# Altium PCB Tiny817_Xplained_Pro.PcbDoc (part 2 of 3) (continued)
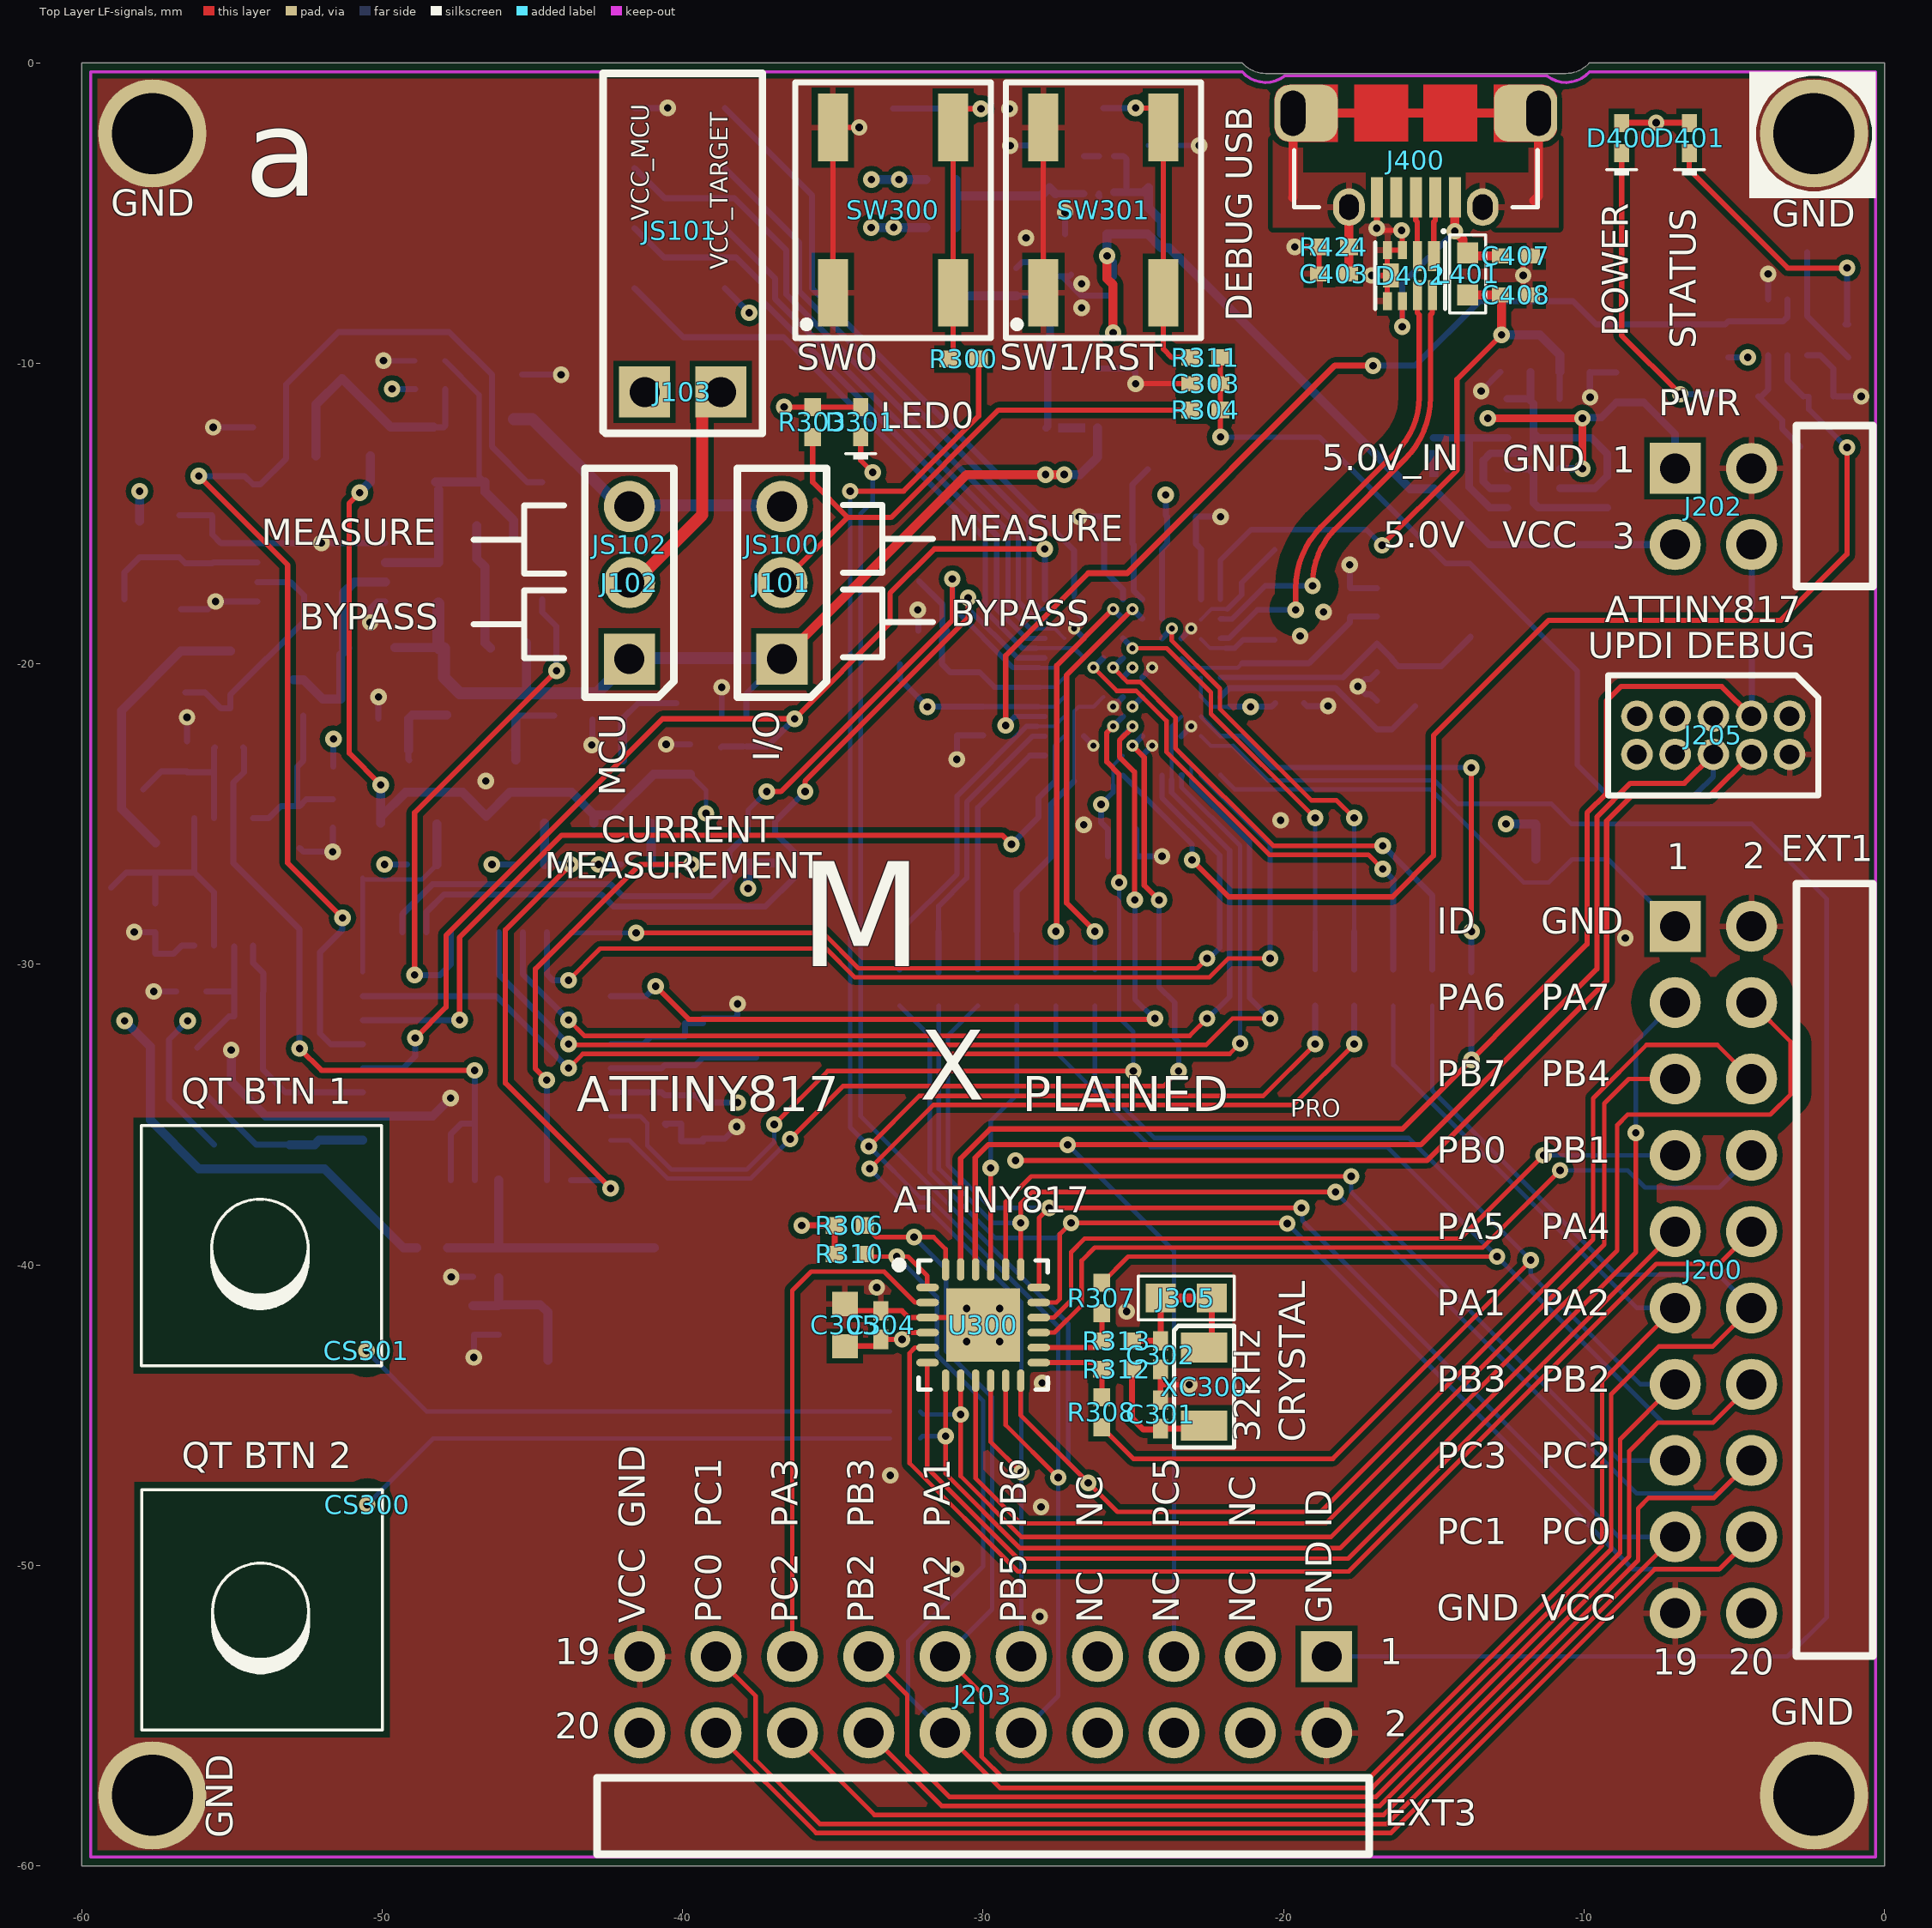
[diagram p0: Top Layer LF-signals view]
## Nets (pads, with @x,y where several pads share a name; then routed paths per layer and width w, separated by ;. In a path a pad name is that pad's centre, name@x,y a point inside that pad or via, vN(x,y) a via of type N, cw(c..) or ccw(c..) an arc to the next point about the centre after c; other vN are vias at no path point) (continued)
  Bottom Layer LF-signals w0.3: v1(-55.025,-32.85) -55.025,-33.9 -53.875,-35.05 C605.2@-53.075,-35.05 ; C605.2@-53.075,-35.05 U600.10@-50.649,-35.051 -48.326,-35.051 v1(-47.725,-34.45)
  other v1: -28.117,-51.7 -30.9,-50.125 -28.075,-48.051 -33.088,-47 -28.034,-43.925 -30.55,-42.55 -29.45,-42.55 -25.224,-41.55 -30.55,-41.45 -29.45,-41.45 -33.542,-40.75 -8.625,-29.125 -26.653,-25.35 -46.55,-23.9 -19.45,-19.07 -18.675,-18.275 -26.725,-8.15 -26.725,-7.35 -28.575,-5.825
  other v3: -20.102,-25.2 -29.125,-1.525
ID1: J200.1@-6.97,-28.73 R409.1 U400.A1 | length 17.9
  Bottom Layer LF-signals w0.15: U400.A1@-22.1,-23.7 -21.625,-24.175 -15.104,-24.175 -12.004,-27.275 -11.175,-27.275 R409.1@-10.4,-26.5 -9.2,-26.5 J200.1@-6.97,-28.73
ID3: J203.1@-18.57,-53.03 R401.1 U400.B3 | length 64.2
  Bottom Layer LF-signals w0.125: U400.B3@-22.75,-22.4 -22.422,-22.728 -21.675,-22.728
  Bottom Layer LF-signals w0.15: -21.675,-22.728 -20.528,-23.875 -14.98,-23.875 -14.205,-24.65 -11.1,-24.65 R401.1@-10.425,-25.325 -4.419,-25.325 -1.925,-27.819 -1.925,-51.725 -3.23,-53.03 J203.1@-18.57,-53.03
NetC100_1: C100.1 pad.3@-29.525,-4.424 R107.2 R108.2 U100.3 | length 6.6
  Bottom Layer LF-signals w0.25: C100.1@-27.599,-4.35 U100.3@-26.65,-4.35
  Bottom Layer LF-signals w0.3: R108.2@-30.9,-5.475 R107.2@-30.9,-3.879 -30.9,-4.424 pad.3@-29.525,-4.424 -28.073,-4.424 C100.1@-27.8,-4.15 ; C100.1@-27.8,-4.15 C100.1@-27.599,-4.35
NetC106_2: C106.2 pad.3@-30.65,-7.75 U103.2 | length 2.9
  Bottom Layer LF-signals w0.2: C106.2@-28.9,-7.75 U103.2@-27.775,-7.75
  Bottom Layer LF-signals w0.3: pad.3@-30.65,-7.75 C106.2@-28.9,-7.75
NetC303_1: C303.1 R304.1 R309.2 R311.2 | length 24.2
  Top Layer LF-signals w0.175: v2(-22.1,-12.45) R304.1@-22.1,-11.55 R311.2@-22.1,-9.8
  Bottom Layer LF-signals w0.175: v2(-22.1,-12.45) -18.81,-12.45 -14.6,-16.66 -13.803,-16.66 -10.225,-20.238 -10.225,-23.364 -9.189,-24.4 R309.2@-7.35,-24.4
NetC402_1: C402.1 pad.3@-18.757,-19.575 R423.2 U400.C7 | length 7.4
  Bottom Layer LF-signals w0.125: U400.C7@-23.4,-19.8 -23.075,-20.125 -21.525,-20.125 -21.375,-19.975
  Bottom Layer LF-signals w0.2: -21.375,-19.975 -19.157,-19.975 pad.3@-18.757,-19.575 -17.8,-18.618 R423.2@-17.8,-18.45 ; R423.2@-17.775,-18.425 C402.1@-16.9,-18.425
NetC404_1: C404.1 L402.2 pad.3@-32.125,-17.25 U400.J6 | length 7.7
  Bottom Layer LF-signals w0.125: -28.115,-20.775 -27.625,-20.775 U400.J6@-27.3,-20.45
  Bottom Layer LF-signals w0.175: -30.125,-20.275 -29.625,-20.775 -28.115,-20.775
  Bottom Layer LF-signals w0.2: pad.3@-32.125,-17.25 -31.35,-18.025 -31.35,-18.75 C404.1@-31.2,-18.9 -31.375,-19.075 L402.2@-31.375,-20 -31.1,-20.275 -30.125,-20.275
NetC405_1: C405.1 C406.1 pad.3@-24.525,-13.525 U400.E10 | length 4.7
  Bottom Layer LF-signals w0.2: U400.E10@-24.7,-17.85 -24.987,-17.563 -24.987,-16.038 C406.1@-25.025,-16 C405.1@-25.025,-15.1 -25.025,-14.025 pad.3@-24.525,-13.525
NetC407_1: C407.1 D402.6 J400.1 L401.1 | length 7.8
  Top Layer LF-signals w0.175: v2(-16.05,-8.775) D402.6@-16.05,-7.925 ; L401.1@-14.025,-6.175 L401.1@-13.875,-6.325
  Top Layer LF-signals w0.3: J400.1@-14.3,-4.475 v1(-14.3,-5.6) -14.025,-5.875 L401.1@-14.025,-6.175 ; L401.1@-13.775,-6.425 C407.1@-12.75,-6.425
  Bottom Layer LF-signals w0.2: v2(-16.05,-8.775) -16.05,-7.35 v1(-14.3,-5.6)
NetC702_1: C702.1 pad.3@-56.15,-32.775 R703.1 R705.2 U700.2 | length 4.9
  Bottom Layer LF-signals w0.2: pad.3@-56.15,-32.775 -55.1,-31.725 C702.1@-54.925,-31.725 U700.2@-54.925,-29.4 ; R705.2@-55.85,-30.9 R703.1@-54.95,-30.9
NetC705_2: C705.2 pad.3@-59.025,-27.45 R706.1 U700.3 U700.5 | length 8.5
  Bottom Layer LF-signals w0.2: pad.3@-59.025,-27.45 -58.525,-26.95 R706.1@-57.55,-26.95 ; C705.2@-57.55,-27.975 R706.1@-57.55,-26.95 ; U700.5@-56.25,-25.125 -56.25,-26.95 ; U700.3@-55.6,-29.375 -55.6,-27.6 -56.25,-26.95 ; R706.1@-57.55,-26.95 -56.25,-26.95
NetC706_1: C706.1 pad.3@-57.95,-24.175 R708.1 R709.2 U700.6 | length 5
  Bottom Layer LF-signals w0.2: pad.3@-57.95,-24.175 -57.35,-23.575 R709.2@-56.5,-23.575 ; R709.2@-56.5,-23.6 R708.1@-55.6,-23.6 ; U700.6@-55.6,-25.125 R708.1@-55.6,-23.6 ; C706.1@-55.575,-22.775 -55.6,-22.8 R708.1@-55.6,-23.6
NetCS300_1: R302.1 | length 18.3
  Bottom Layer LF-signals w0.15: v3(-50.5,-47.975) -48.3,-45.775 R302.1@-33.1,-45.775
NetCS301_1: R305.1 | length 18.3
  Bottom Layer LF-signals w0.15: v3@-50.575,-42.825 -48.525,-44.875 R305.1@-33.1,-44.875
  other v3: -50.52,-42.856
NetD301_2: D301.2 R303.1 | length 2.5
  Top Layer LF-signals w0.175: v2(-36.625,-11.45) R303.1@-35.675,-11.45 D301.2@-34.075,-11.45
NetD400_1: D400.1 R411.2 | length 10.5
  Top Layer LF-signals w0.175: D400.1@-8.75,-3 -8.75,-9.075 v2(-6.8,-11.025)
  Bottom Layer LF-signals w0.2: v2(-6.8,-11.025) -5.275,-11.025 R411.2@-5.2,-11.1
NetD401_1: D401.1 R412.2 | length 9.3
  Top Layer LF-signals w0.175: D401.1@-6.5,-3 -6.5,-3.55 -3.225,-6.825 v2(-1.25,-6.825) v2@-1.1,-6.825
  Bottom Layer LF-signals w0.2: R412.2@-1.3,-8.7 R412.2@-1.2,-8.7 -1.25,-8.65 v2(-1.25,-6.825)
NetJ101_3: J101.3@-36.696,-14.76 J102.3@-41.776,-14.76 Q500.3 | length 10.1
  Bottom Layer LF-signals w0.4: Q500.3@-45.625,-11.85 -45,-11.85 -42.12,-14.73 J101.3@-36.696,-14.73
NetJ102_2: J102.2@-41.776,-17.3 J103.2 | length 7.5
  Top Layer LF-signals w0.4: J102.2@-41.575,-17.27 -39.35,-15.045 -39.35,-11.57 J103.2@-38.73,-10.95
NetJ203_3: J203.3@-21.11,-53.03
NetJ203_4: J203.4@-21.11,-55.57
NetJ203_6: J203.6@-23.65,-55.57
NetJ203_7: J203.7@-26.19,-53.03
NetJ203_8: J203.8@-26.19,-55.57
NetJ305_1: J305.1 XC300.1 | length 1.8
  Top Layer LF-signals w0.15: XC300.1@-22.67,-42.75 XC300.1@-22.395,-42.475
  Top Layer LF-signals w0.2: XC300.1@-22.395,-42.475 J305.1@-22.395,-41.1
NetQ101_3: pad.3@-9.231,-14.804 Q101.3 Q101.6 Q101.7 Q101.8 | length 4.4
  Bottom Layer LF-signals w0.25: Q101.6@-12.556,-13.504 -11.841,-13.504 Q101.7@-11.681,-13.664 Q101.8@-11.681,-14.644 -11.521,-14.804 Q101.3@-10.806,-14.804 pad.3@-9.231,-14.804
NetQ400_3: pad.3@-2.575,-6.3 Q400.3 R412.1 | length 4.1
  Bottom Layer LF-signals w0.2: pad.3@-2.575,-6.3 Q400.3@-2.575,-7.875 -2.575,-8.425 R412.1@-1.2,-9.8
NetQ400_6: pad.3@-2.8,-12.775 Q400.6 R411.1 | length 3.7
  Bottom Layer LF-signals w0.2: R411.1@-4.2,-11.1 -3.4,-11.9 -3.4,-12.175 pad.3@-2.8,-12.775 ; R411.1@-4.1,-11.1 -3.875,-10.875 Q400.6@-3.875,-9.725
NetQ500_2: pad.3@-48.125,-15.425 Q500.2 Q502.2 Q700.3 R502.2 R702.2 U701.2 | length 12.6
  Bottom Layer LF-signals w0.175: R502.2@-47.912,-9.908 -46.775,-11.045 -46.775,-13.75 Q500.2@-46.575,-13.95
  Bottom Layer LF-signals w0.3: U701.2@-49.9,-16.625 R702.2@-48.125,-16.625 pad.3@-48.125,-15.425 Q502.2@-48.125,-14.2 ; Q502.2@-48.225,-13.95 Q500.2@-46.575,-13.95 -46.575,-14.275 -45.625,-15.225 Q700.3@-45.625,-15.75
NetQ501_3: pad.3@-51.336,-10.5 Q501.3 Q502.1 R501.1 | length 8.3
  Bottom Layer LF-signals w0.2: Q502.1@-48.3,-12.125 -47.95,-12.125 -47.9,-12.075 R501.1@-47.9,-10.85
  Bottom Layer LF-signals w0.3: Q501.3@-52.2,-13.075 -52.2,-11.364 pad.3@-51.336,-10.5 -49.711,-12.125 Q502.1@-48.3,-12.125
NetQ502_3: Q502.3 Q800.2 Q801.2 Q802.2 R806.2 | length 26.9
  Top Layer LF-signals w0.175: v1(-50.75,-14.3) -51.1,-14.65 -51.1,-22.975 v1(-50.05,-24.025)
  Bottom Layer LF-signals w0.15: R806.2@-39.75,-23.675 -39.225,-24.2 v2(-39.225,-24.975)
  Bottom Layer LF-signals w0.3: v1(-50.75,-14.3) -50.4,-13.95 Q502.3@-50.4,-13.075 ; Q802.2@-50.05,-25.3 Q802.2@-50.05,-25.1 ; v1(-50.05,-24.025) Q802.2@-50.05,-25.1 ; Q800.2@-42.95,-25.3 Q800.2@-42.95,-25.025 ; R806.2@-39.75,-23.675 -40.975,-23.675 -42.325,-25.025 Q800.2@-42.95,-25.025 ; Q802.2@-50.05,-25.1 -49.225,-24.275 -47.325,-24.275 -46.537,-25.062 -45.75,-24.275 -43.7,-24.275 Q800.2@-42.95,-25.025
NetQ700_2: pad.3@-46.83,-15.42 Q700.2 R700.2 | length 4.3
  Bottom Layer LF-signals w0.3: pad.3@-46.85,-15.4 -46.85,-16.5 -46.575,-16.775 Q700.2@-46.575,-17.85 -46.575,-19.3 R700.2@-46.4,-19.475
NetQ701_1: pad.3@-56.548,-20.95 Q701.1 U701.6 | length 8.2
  Bottom Layer LF-signals w0.2: pad.3@-56.548,-20.95 -55.9,-20.95 -55.375,-21.475 Q701.1@-55.05,-21.475 -55.05,-21.025 -52.6,-18.575 -52.6,-17.725 -53.05,-17.275 U701.6@-54.15,-17.275
NetQ701_2: pad.3@-58.675,-21.575 Q701.2 R706.2 R707.2 | length 9.3
  Bottom Layer LF-signals w0.3: R706.2@-57.55,-25.95 -58.675,-24.825 pad.3@-58.675,-21.575 -58.675,-21.55 R707.2@-56.7,-19.575 ; R707.2@-56.675,-19.575 Q701.2@-55.05,-19.575
NetQ701_3: pad.3@-51.375,-21.175 Q701.3 R704.1 U701.3 | length 7
  Bottom Layer LF-signals w0.3: Q701.3@-52.95,-20.525 -52.625,-20.525 -51.975,-21.175 pad.3@-51.375,-21.175 -51.375,-19.7 R704.1@-51.15,-19.475 ; R704.1@-51.3,-19.475 -51.3,-17.65 -50.925,-17.275 U701.3@-49.9,-17.275
NetQ800_3: pad.3@-40.209,-21.3 Q800.3 R803.2 | length 3.4
  Bottom Layer LF-signals w0.2: R803.2@-42,-21.85 R803.2@-42,-21.825 -41.475,-21.3 pad.3@-40.209,-21.3
  Bottom Layer LF-signals w0.3: Q800.3@-42,-23.2 R803.2@-42,-21.85
NetQ801_3: pad.3@-44.275,-21.725 Q801.3 R804.2 | length 3
  Bottom Layer LF-signals w0.2: Q801.3@-45.625,-22.875 -45.55,-22.95 Q801.3@-45.55,-23.2 ; R804.2@-45.55,-21.825 -45.45,-21.725 pad.3@-44.275,-21.725
  Bottom Layer LF-signals w0.3: Q801.3@-45.55,-23.2 R804.2@-45.55,-21.825
NetQ802_3: pad.3@-47.85,-21.7 Q802.3 R805.2 | length 2.7
  Bottom Layer LF-signals w0.2: Q802.3@-49.125,-22.875 -49.125,-23.175 Q802.3@-49.1,-23.2
  Bottom Layer LF-signals w0.3: Q802.3@-49.125,-22.875 R805.2@-49.125,-21.825 -49,-21.7 pad.3@-47.85,-21.7
NetR300_1: R300.1 SW300.3 SW300.4 TP300.1 | length 12.1
  Top Layer LF-signals w0.175: R300.1@-31.15,-9.85 -31,-9.7 SW300.3@-31,-7.65 SW300.4@-31,-2.15 -31,-1.725 -30.8,-1.525 v4(-30.075,-1.525)
  Bottom Layer LF-signals w0.2: TP300.1@-33,-1.525 v4(-30.075,-1.525)
NetR311_1: R311.1 SW301.3 SW301.4 TP301.1 | length 10.9
  Top Layer LF-signals w0.175: v4(-24.925,-1.5) -24.3,-1.5 -24,-1.8 SW301.4@-24,-2.15 SW301.3@-24,-7.65 -24,-9.52 -23.72,-9.8 R311.1@-23.1,-9.8
  Bottom Layer LF-signals w0.2: TP301.1@-26,-1.5 v4(-24.925,-1.5)
PA0_UPDI_RST: J205.3 R301.1 R404.1 U300.23 | length 45.8
  Top Layer LF-signals w0.175: U300.23@-30.75,-40.14 -30.75,-36.458 -29.767,-35.475 -16.05,-35.475 -9.9,-29.325 -9.9,-24.956 -9.25,-24.306 -9.25,-21.225 -8.775,-20.75 -5.42,-20.75 J205.3@-4.43,-21.74
  Bottom Layer LF-signals w0.2: v1(-13.75,-33.175) R404.1@-13.75,-31.25 ; J205.3@-4.419,-21.729 R301.1@-4.419,-19.125
PA1_I2C_SDA: J200.11@-6.97,-41.43 J203.11@-31.27,-53.03 R306.1 R407.2 U300.24 | length 71
  Top Layer LF-signals w0.15: R306.1@-33.942,-38.686 -33.553,-39.075 v1(-32.3,-39.075) -31.65,-39.075 -31.25,-39.475 U300.24@-31.25,-40.14 ; J203.11@-31.27,-53.03 -30.05,-54.25 -30.05,-56.366 -29.316,-57.1 -17.171,-57.1 -9.4,-49.329 -9.4,-43.86 J200.11@-6.97,-41.43
  Bottom Layer LF-signals w0.15: v1(-32.3,-39.075) -31.238,-40.137 -31.238,-42.863 -29.7,-44.401 -29.7,-51.46 J203.11@-31.27,-53.03 ; -16.35,-33.35 R407.2@-16.35,-31.375 ; -16.325,-33.35 -8.245,-41.43 J200.11@-6.97,-41.43
PA2_I2C_SCL: J200.12@-4.43,-41.43 J203.12@-31.27,-55.57 R310.1 R408.2 U300.1 | length 75
  Top Layer LF-signals w0.15: R310.1@-33.942,-39.636 -33.853,-39.725 v1(-32.875,-39.725) -32.501,-39.725 -31.86,-40.366 U300.1@-31.86,-40.75 ; J203.12@-31.27,-55.57 -29.44,-57.4 -17.046,-57.4 -9.1,-49.454 -9.1,-44.3 -7.512,-42.713 -5.712,-42.713 J200.12@-4.43,-41.43
  Bottom Layer LF-signals w0.15: v1(-32.875,-39.725) -31.538,-41.062 -31.538,-42.987 -30,-44.525 -30,-50.025 -32.5,-52.525 -32.5,-54.34 J203.12@-31.27,-55.57 ; R408.2@-15.05,-31.375 -15.05,-34.201 -8.926,-40.325 -5.535,-40.325 J200.12@-4.43,-41.43
PA3_GPIO_SS: J203.15@-36.35,-53.03 U300.2 | length 17.4
  Top Layer LF-signals w0.15: J203.15@-36.35,-53.03 -36.35,-40.85 -35.725,-40.225 -33.293,-40.225 -32.268,-41.25 U300.2@-31.86,-41.25
PA4_GPIO: J200.10@-4.43,-38.89 U300.5 | length 38.5
  Top Layer LF-signals w0.15: U300.5@-31.86,-42.75 -32.268,-42.75 -32.45,-42.932 -32.45,-46.597 -28.847,-50.2 -17.832,-50.2 -7.597,-39.965 -5.505,-39.965 J200.10@-4.43,-38.89
PA5_IRQ_GPIO: J200.9@-6.97,-38.89 U300.6 | length 34.2
  Top Layer LF-signals w0.15: U300.6@-31.86,-43.25 -31.86,-46.763 -28.848,-49.775 -17.855,-49.775 J200.9@-6.97,-38.89
PA6_AIN6: J200.3@-6.97,-31.27 R302.2 U300.7 | length 40.9
  Top Layer LF-signals w0.15: U300.7@-31.25,-43.86 v1(-31.25,-45.7) -31.25,-46.949 -28.774,-49.425 -18.125,-49.425 -8.275,-39.575 v1(-8.275,-35.602)
  Bottom Layer LF-signals w0.15: R302.2@-32.1,-45.775 -32.025,-45.7 v1(-31.25,-45.7) ; v1(-8.275,-35.602) -8.275,-32.575 J200.3@-6.97,-31.27
PA7_AIN7: J200.4@-4.43,-31.27 R305.2 U300.8 | length 45.2
  Top Layer LF-signals w0.15: U300.8@-30.75,-43.86 v1(-30.75,-44.975) -30.75,-47.024 -28.724,-49.05 -18.425,-49.05 -8.9,-39.525 -8.9,-35.35 -8.55,-35 -3.8,-35 -3.125,-34.325 -3.125,-32.575 J200.4@-4.43,-31.27
  Bottom Layer LF-signals w0.15: R305.2@-32.1,-44.875 -32,-44.975 v1(-30.75,-44.975)
PB0_PWM_W0: J200.7@-6.97,-36.35 U300.16 | length 24.3
  Top Layer LF-signals w0.15: U300.16@-28.14,-41.75 -27.642,-41.75 -27.075,-41.183 -27.075,-39.575 -26.625,-39.125 -14.125,-39.125 v1(-11.35,-36.35)
  Bottom Layer LF-signals w0.15: v1(-11.35,-36.35) J200.7@-6.97,-36.35
PB1_PWM_W1: J200.8@-4.43,-36.35 U300.15 | length 27.5
  Top Layer LF-signals w0.15: U300.15@-28.15,-42.25 -27.625,-42.25 -26.725,-41.35 -26.725,-39.86 -26.29,-39.425 -13.373,-39.425 v1(-10.8,-36.852)
  Bottom Layer LF-signals w0.15: v1(-10.8,-36.852) -8.548,-36.852 -7.975,-37.425 -5.505,-37.425 J200.8@-4.43,-36.35
PB2: R307.2 R313.1 U300.14 | length 3.1
  Top Layer LF-signals w0.175: U300.14@-28.15,-42.75 -26.275,-42.75 R313.1@-26.05,-42.525 R307.2@-26.05,-41.6
PB2_TOSC2: C302.1 J305.2 R313.2 | length 2.3
  Top Layer LF-signals w0.2: R313.2@-24.92,-42.525 C302.1@-24.095,-42.525 J305.2@-24.095,-41.1
PB2_UART_TXD: J200.14@-4.43,-43.97 J203.14@-33.81,-55.57 R307.1 R406.2 | length 82.1
  Top Layer LF-signals w0.15: J203.14@-33.81,-55.57 -31.38,-58 -16.798,-58 -8.5,-49.702 -8.5,-46.2 -7.55,-45.25 -5.71,-45.25 J200.14@-4.43,-43.97 ; R307.1@-26.05,-40.6 -25.175,-39.725 v1(-12.9,-39.725)
  Bottom Layer LF-signals w0.15: -27.58,-32.95 R406.2@-27.58,-31.375 ; -27.55,-32.95 -24.425,-36.075 -16.55,-36.075 v1(-12.9,-39.725) -7.375,-45.25 -5.71,-45.25 J200.14@-4.43,-43.97
PB3: R308.2 R312.1 U300.13 | length 3.1
  Top Layer LF-signals w0.175: U300.13@-28.15,-43.25 -26.272,-43.25 R312.1@-26.05,-43.472 R308.2@-26.05,-44.4
PB3_TOSC1: C301.1 R312.2 XC300.2 | length 4.2
  Top Layer LF-signals w0.2: R312.2@-25.05,-43.472 -25.05,-45.097 -24.675,-45.472 -24.12,-45.472 C301.1@-24.095,-45.447 -22.767,-45.447 XC300.2@-22.67,-45.35
PB3_UART_RXD: J200.13@-6.97,-43.97 J203.13@-33.81,-53.03 R308.1 R414.1 | length 81.5
  Top Layer LF-signals w0.15: J203.13@-33.81,-53.03 -32.525,-54.315 -32.525,-56.3 -31.125,-57.7 -16.922,-57.7 -8.8,-49.578 -8.8,-45.8 J200.13@-6.97,-43.97 ; R308.1@-26.05,-45.4 -25,-46.45 -18.36,-46.45 v1@-11.763,-39.853
  Bottom Layer LF-signals w0.15: R414.1@-26.28,-31.375 -26.28,-33.796 -24.301,-35.775 -15.84,-35.775 v1(-11.775,-39.84) -11.775,-40.325 -8.13,-43.97 J200.13@-6.97,-43.97
PB4_GPIO2: D301.1 J200.6@-4.43,-33.81 U300.12 | length 74.7
  Top Layer LF-signals w0.15: U300.12@-28.75,-43.86 -28.75,-45.003 v1(-26.503,-47.25) -25.534,-48.219 -18.769,-48.219 -9.7,-39.15 -9.7,-34.451 -7.924,-32.675 -5.565,-32.675 J200.6@-4.43,-33.81
  Top Layer LF-signals w0.175: D301.1@-34.075,-12.45 -34.075,-13.225 v1(-33.675,-13.625)
  Bottom Layer LF-signals w0.15: v1(-33.675,-13.625) -33.675,-14.6 -34.078,-15.003 -34.078,-35.045 -27.163,-41.96 -27.163,-46.589 v1(-26.503,-47.25)
PB5_GPIO: J203.10@-28.73,-55.57 R300.2 R416.1 U300.11 | length 73.6
  Top Layer LF-signals w0.15: v1(-33.802,-36.052) -32.125,-34.375 -20.675,-34.375 v3(-18.95,-32.65) ; U300.11@-29.25,-43.86 -29.25,-45.325 v1(-27.5,-47.075)
  Top Layer LF-signals w0.175: v1(-34.425,-14.25) -32.649,-14.25 -30.15,-11.751 R300.2@-30.15,-9.85
  Bottom Layer LF-signals w0.15: v1(-34.425,-14.25) -34.425,-35.428 v1(-33.802,-36.052) -32.078,-37.775 -31.776,-37.775 -27.5,-42.051 v1(-27.5,-47.075) -27.5,-54.34 J203.10@-28.73,-55.57
  Bottom Layer LF-signals w0.2: v3(-18.95,-32.65) R416.1@-18.95,-31.375
PB6_IRQ_GPIO: J203.9@-28.73,-53.03 R417.1 U300.10 | length 41.3
  Top Layer LF-signals w0.15: v1(-33.775,-36.796) -31.654,-34.675 -19.675,-34.675 v3(-17.65,-32.65) ; U300.10@-29.75,-43.86 -29.75,-45.885 v1(-28.73,-46.905)
  Bottom Layer LF-signals w0.15: v1(-33.775,-36.796) -32.496,-38.075 -31.9,-38.075 -28.73,-41.245 v1(-28.73,-46.905) J203.9@-28.73,-53.03
  Bottom Layer LF-signals w0.2: v3(-17.65,-32.65) R417.1@-17.65,-31.375
PB7_GPIO1: J200.5@-6.97,-33.81 U300.9 | length 36
  Top Layer LF-signals w0.15: U300.9@-30.25,-43.86 -30.25,-47.1 -28.75,-48.6 -18.6,-48.6 -9.325,-39.325 -9.325,-34.625 -8.51,-33.81 J200.5@-6.97,-33.81
PC0_SPI_SCK: J200.18@-4.43,-49.05 J203.18@-38.89,-55.57 R425.1 U300.17 | length 83
  Top Layer LF-signals w0.15: J203.18@-38.89,-55.57 -35.56,-58.9 -16.425,-58.9 -7.65,-50.125 -5.505,-50.125 J200.18@-4.43,-49.05 ; U300.17@-28.15,-41.25 -27.567,-41.25 -27.45,-41.133 -27.45,-38.975 v1(-27.075,-38.6) v1@-19.875,-38.6
  Bottom Layer LF-signals w0.15: R425.1@-32.78,-31.375 -31.775,-32.38 -31.775,-36.924 -29.599,-39.1 -27.575,-39.1 v1(-27.075,-38.6) ; v1(-19.875,-38.625) -8.375,-50.125 -5.505,-50.125 J200.18@-4.43,-49.05
PC1_SPI_MISO: J200.17@-6.97,-49.05 J203.17@-38.89,-53.03 R420.2 U300.18 | length 77.5
  Top Layer LF-signals w0.15: J203.17@-38.89,-53.03 -37.575,-54.345 -37.575,-56.461 -35.436,-58.6 -16.549,-58.6 -6.999,-49.05 J200.17@-6.97,-49.05 ; U300.18@-28.14,-40.75 -28.14,-38.44 v1(-27.8,-38.1) v1(-19.405,-38.1)
  Bottom Layer LF-signals w0.15: R420.2@-30.18,-31.375 -31.169,-32.364 -31.169,-36.681 -29.75,-38.1 v1(-27.8,-38.1) ; v1(-19.405,-38.1) -19.375,-38.13 -19.375,-38.52 -8.845,-49.05 J200.17@-6.97,-49.05
PC2_SPI_MOSI: J200.16@-4.43,-46.51 J203.16@-36.35,-55.57 R415.1 U300.19 | length 79.1
  Top Layer LF-signals w0.15: J203.16@-36.35,-55.57 -33.62,-58.3 -16.674,-58.3 -8.2,-49.826 -8.2,-48.1 -7.85,-47.75 -5.67,-47.75 J200.16@-4.43,-46.51 ; U300.19@-28.75,-40.15 v1(-28.75,-38.6) -28.75,-37.95 -28.375,-37.575 v1(-18.275,-37.575)
  Bottom Layer LF-signals w0.15: R415.1@-31.48,-31.375 -31.475,-31.38 -31.475,-36.8 -29.675,-38.6 v1(-28.75,-38.6) ; v1(-18.275,-37.575) -8.25,-47.6 -5.52,-47.6 J200.16@-4.43,-46.51
PC3_SPI_SS: J200.15@-6.97,-46.51 U300.20 | length 29.1
  Top Layer LF-signals w0.15: U300.20@-29.25,-40.14 -29.25,-37.9 -28.402,-37.052 v1(-17.751,-37.052)
  Bottom Layer LF-signals w0.15: v1(-17.751,-37.052) -17.751,-37.574 -8.815,-46.51 J200.15@-6.97,-46.51
PC4_GPIO_SS: pad.3@-28.88,-32.65 R426.1 U300.21 | length 9.1
  Top Layer LF-signals w0.15: U300.21@-29.75,-40.14 v1(-29.75,-36.775)
  Bottom Layer LF-signals w0.15: v1(-29.75,-36.775) -29.75,-35.215 -28.88,-34.345 pad.3@-28.88,-32.65 R426.1@-28.88,-31.375
PC5_GPIO: J203.5@-23.65,-53.03 J205.6 R309.1 U300.22 | length 57
  Top Layer LF-signals w0.175: U300.22@-30.25,-40.15 -30.263,-40.137 -30.263,-36.43 -29.832,-36 v1(-27.19,-36) -15.425,-36 -9.575,-30.15 -9.575,-25.09 -8.46,-23.975 -6.665,-23.975 J205.6@-5.7,-23.01
  Bottom Layer LF-signals w0.15: v1(-27.19,-36) -23.65,-39.54 J203.5@-23.65,-53.03
  Bottom Layer LF-signals w0.175: R309.1@-6.35,-24.4 -6.25,-24.3 -5.7,-23.75 J205.6@-5.7,-23.01
POWER_LED_CTRL: Q400.2 R410.1 U400.K4 | length 35.7
  Top Layer LF-signals w0.175: v1(-29.25,-22.05) -29.25,-19.725 -26.5,-16.975
  Top Layer LF-signals w0.2: -26.5,-16.975 -25.2,-16.975 -18.3,-10.075 v2(-17.025,-10.075)
  Bottom Layer LF-signals w0.175: v1(-29.25,-22.05) -28.95,-21.75 U400.K4@-27.95,-21.75
  Bottom Layer LF-signals w0.2: v2(-17.025,-10.075) -15.625,-10.075 -13.475,-7.925 -10.375,-7.925 -9.6,-8.7 -5.3,-8.7 -5.2,-8.6 -3.375,-8.6 -3.225,-8.45 Q400.2@-3.225,-7.875
SHIELD: C403.2 J400.6@-11.512,-1.675 J400.7@-19.687,-1.675 J400.8@-13.375,-4.8 J400.9@-17.825,-4.8 R424.2 | length 16.2
  Top Layer LF-signals w0.3: -19.7,-4.476 -19.687,-4.463 J400.7@-19.687,-1.675 J400.6@-11.512,-1.675 -11.512,-4.424 -11.675,-4.587 ; C403.2@-17.85,-7.025 -17.8,-7.025 -17.825,-7 -17.825,-6.375 R424.2@-17.825,-6.125 J400.9@-17.825,-4.8
STATUS_LED_CTRL: Q400.5 R413.2 U400.F1 | length 40.7
  Top Layer LF-signals w0.175: v1(-23.05,-26.525) -21.825,-27.75 -16.375,-27.75 -15.012,-26.388 -15.012,-22.384 -11.179,-18.55 -3.45,-18.55 -1.25,-16.35 v2(-1.25,-12.8)
  Bottom Layer LF-signals w0.175: U400.F1@-25.35,-23.7 -23.05,-26 v1(-23.05,-26.525) ; R413.2@-2.7,-11.1 -2.525,-11.1 -2.525,-11.525 v2(-1.25,-12.8)
  Bottom Layer LF-signals w0.2: Q400.5@-3.225,-9.725 -3.225,-10.575 R413.2@-2.7,-11.1
USB_HS_N: D402.1 J400.2 | length 2
  Top Layer LF-signals w0.18: D402.1@-15,-6.425 -15,-5.29 -14.95,-5.24 J400.2@-14.95,-4.475
USB_HS_P: D402.2 J400.3 | length 2
  Top Layer LF-signals w0.18: J400.3@-15.6,-4.475 -15.6,-5.24 -15.55,-5.29 D402.2@-15.55,-6.425
VCC_CM_CORE: C602.1 C603.1 pad.3@-37.55,-33.1 U600.29 | length 5
  Bottom Layer LF-signals w0.2: U600.29@-42.399,-33.451 -40.701,-33.451 C602.1@-40.6,-33.35 -39.575,-33.35 -39.325,-33.1 pad.3@-37.55,-33.1
VCC_CM_IN_P3V3: J100.1 J101.1@-36.696,-19.84 J102.1@-41.776,-19.84 R109.2 R700.1 R701.1 R702.1 R704.2 | length 34.9
  Top Layer LF-signals w0.3: J101.1@-36.696,-19.84 -30.556,-13.7 v1(-27.925,-13.7) v1(-27.3,-13.7)
  Bottom Layer LF-signals w0.2: R109.2@-37.875,-21.75 -37.875,-20.989 J101.1@-36.696,-19.81
  Bottom Layer LF-signals w0.3: R704.2@-49.575,-19.45 R700.1@-48.125,-19.45 ; R701.1@-45.2,-19.3 -45.2,-20.95 -45.15,-21 ; v1(-27.925,-13.7) -26.775,-13.7 -26.2,-13.125 J100.1@-26.2,-12.15
  Bottom Layer LF-signals w0.4: R702.1@-48.125,-18 -48.125,-19.45 R700.1@-48.1,-19.475 ; R700.1@-47.95,-19.475 -47.95,-20.447 -47.422,-20.975 -42.86,-20.975 -41.695,-19.81 J101.1@-36.696,-19.81
VCC_CM_P3V3: C600.1 C601.1 L600.1 L700.1 R107.1 R501.2 R602.2 R603.2 R800.2 R801.2 R802.2 U600.30 | length 16.9
  Bottom Layer LF-signals w0.2: v1(-56.475,-31.875) -57.1,-32.5 -57.1,-34.5 L600.1@-55.6,-36 ; L700.1@-51.625,-23.425 v1(-51.625,-22.5) ; v1(-49.925,-26.675) R800.2@-49.175,-26.675 ; v1(-49.675,-10.85) R501.2@-48.9,-10.85 ; v1(-46.35,-26.675) R801.2@-45.6,-26.675 ; v1(-42.8,-26.675) R802.2@-42.05,-26.675 ; U600.30@-42.399,-34.251 -40.699,-34.251 C600.1@-40.6,-34.35 -39.575,-34.35 -39.325,-34.6 v1(-38.175,-34.6)
  Bottom Layer LF-signals w0.3: v3(-37.825,-27.475) R603.2@-37.825,-26.628 R602.2@-36.925,-26.628 ; v2(-33.717,-3.879) R107.1@-31.9,-3.879
  other v3: -32.8,-3.879
VCC_CM_VDDANA: C604.1 C605.1 L600.2 pad.3@-55.9,-34.3 U600.9 | length 6
  Bottom Layer LF-signals w0.2: pad.3@-55.9,-34.3 L600.2@-54.2,-36 C605.1@-53.075,-36
  Bottom Layer LF-signals w0.3: C605.1@-53.075,-36 C604.1@-52.25,-36 -52.101,-35.851 U600.9@-50.649,-35.851
VCC_EDBG_P3V3: C409.1 C410.1 C411.1 C412.1 C413.1 C414.1 C415.1 D400.2 D401.2 L402.1 R108.1 R401.2 R409.2 R410.2 TP407.1 U400.B5 U400.B6 U400.D9 U400.D10 U400.E5 U400.F2 U400.F6 U400.J5 | length 26.7
  Top Layer LF-signals w0.2: D400.2@-8.75,-1.993 v4(-7.6,-1.993) D401.2@-6.5,-1.993
  Bottom Layer LF-signals w0.125: -28.159,-21.425 -27.625,-21.425 U400.J5@-27.3,-21.1 ; -25.675,-24.05 -25.675,-23.375 U400.F2@-25.35,-23.05 ; U400.B6@-22.75,-20.45 U400.B5@-22.75,-21.1 -22.425,-21.425 -21.825,-21.425
  Bottom Layer LF-signals w0.175: C413.1@-30,-21.425 -28.159,-21.425 ; v1(-26.075,-24.675) -25.675,-24.275 -25.675,-24.05
  Bottom Layer LF-signals w0.2: TP407.1@-38.6,-7.5 v1(-37.787,-8.313) ; L402.1@-32.775,-20 -32.775,-20.503 v1(-31.853,-21.425) C414.1@-30.875,-21.425 C413.1@-30,-21.425 ; v1(-26.075,-24.675) -26.075,-25.275 C412.1@-25.85,-25.5 C415.1@-25.85,-26.4 ; U400.F6@-25.35,-20.45 v5(-25.025,-20.125) ; v5(-25.025,-21.425) U400.E5@-24.7,-21.1 ; U400.D9@-24.05,-18.5 U400.D10@-24.05,-17.85 -24.05,-16.175 C410.1@-23.875,-16 C409.1@-23.875,-15.1 -23.925,-15.05 v3(-23.925,-14.375) ; -21.825,-21.425 v4(-21.1,-21.425) -20.4,-21.425 C411.1@-20.275,-21.3 ; R410.2@-5.2,-9.8 v4(-4.55,-9.8)
  Bottom Layer LF-signals w0.3: v3(-33.725,-5.483) -33.717,-5.475 R108.1@-31.9,-5.475 ; v1(-12.6,-25.325) R401.2@-11.625,-25.325 ; R409.2@-11.6,-26.5 R401.2@-11.6,-25.35
  other v3: -32.975,-5.475